# KiCad board VersaSens_HeEx.kicad_pcb (continued)
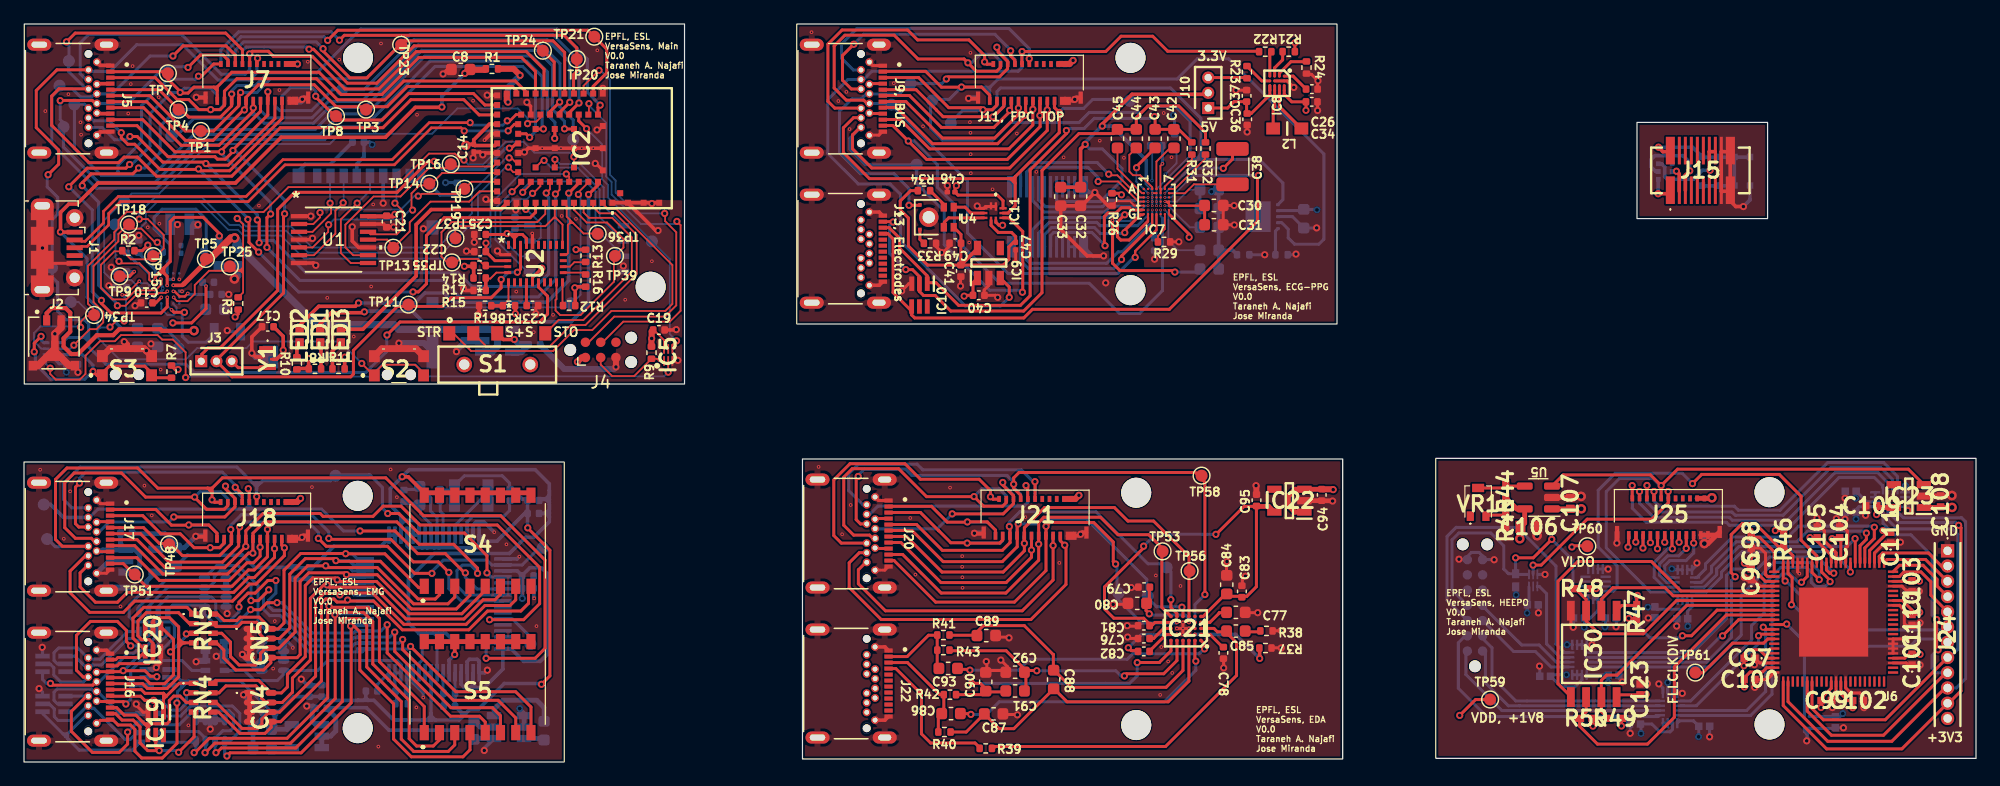
[diagram p0: board, top side]
## Library data of the parts
C1-C95 = -: Description: Unpolarized capacitor
C96-C105 C110-C124 = -: Description: SMD Comm X5R, Ceramic, 0.1 uF, 10%, 6.3 VDC, 15.75 VDC, 85C, -55C, X5R, SMD, MLCC, Temperature Stable, Class II, 5 % , 5 GOhms, 1.21 mg, 0402, 1mm, 0.5mm, 0.5mm, 0.3mm, 0.3mm, 10000, 78  Weeks, 70; Height: 0.55; Manufacturer_Name: KEMET; Manufacturer_Part_Number: C0402C104K9PACTU; Mouser Part Number: 80-C0402C104K9P; Mouser Price/Stock: https://www.mouser.co.uk/ProductDetail/KEMET/C0402C104K9PACTU?qs=DBJr%252BvBUjU7yQ9iUbxvTPw%3D%3D
C106 = -: Description: Cap Ceramic 22uF 10V X5R 20% Pad SMD 0603 85C T/R; Height: 0.8; Manufacturer_Name: Murata Electronics; Manufacturer_Part_Number: GRM187R61A226ME15D; Mouser Part Number: 81-GRM187R61A226ME5D; Mouser Price/Stock: https://www.mouser.co.uk/ProductDetail/Murata-Electronics/GRM187R61A226ME15D?qs=I53XXhTNm8uUaeh8Eawx4Q%3D%3D
C107 = -: Description: 0402 (1005M) X5R (EIA) 6.3Vdc 10uF+/-20%; Height: 0.7; Manufacturer_Name: Murata Electronics; Manufacturer_Part_Number: GRT155R60J106ME13D
C108 C109 = -: Description: Multilayer Ceramic Capacitors MLCC - SMD/SMT 0402 1uF 6.3volts *Derate Voltage/Temp; Height: 0.55; Manufacturer_Name: Murata Electronics; Manufacturer_Part_Number: GRM155R70J105KA12J; Mouser Part Number: 81-GRM155R70J105KA2J; Mouser Price/Stock: https://www.mouser.co.uk/ProductDetail/Murata-Electronics/GRM155R70J105KA12J?qs=hNud%2FORuBR2N0lYMgRaehA%3D%3D
CN1-CN5 = -: Description: Capacitor Arrays & Networks 50VDC 1000pF X7R 10% X7R 10%; Height: 0.9; Manufacturer_Name: KEMET; Mouser Part Number: 80-CA064C102K5R; Mouser Price/Stock: https://www.mouser.co.uk/ProductDetail/KEMET/CA064C102K5RACTU?qs=GLnfAsRnPWBZt%252BkjCDLlMQ%3D%3D
D1 = -: Description: Photodiodes Pin Photodiode 20V 350-1100nm; 28uA; Arrow Price/Stock: https://www.arrow.com/en/products/vemd8080/vishay?region=nac; Height: 0.53; Manufacturer_Name: Vishay; Mouser Part Number: 78-VEMD8080; Mouser Price/Stock: https://www.mouser.co.uk/ProductDetail/Vishay-Semiconductors/VEMD8080?qs=F5EMLAvA7IBCchs2bw9l%2Fw%3D%3D
H1-H8 H22 H23 = -: Description: Mounting Hole without connection
IC1 = -: Description: Ultra-Low Power PMIC Featuring Single-Inductor, 3-Output Buck-Boost, 2-LDOs, Power-Path Charger, and Fuel Gauge for Small Li+; Height: 0.5; Manufacturer_Name: Analog Devices
IC2 = -: Description: Bluetooth Modules - 802.15.1 BL5340 series - Multi-Core / Protocol Bluetooth + 802.15.4 + NFC Module (Nordic nRF52340) - Integrated Antenna (Tape/Reel); Height: 2.15; Manufacturer_Name: Laird Connectivity; Mouser Part Number: 239-453-00052R; Mouser Price/Stock: https://www.mouser.co.uk/ProductDetail/Laird-Connectivity/453-00052R?qs=DRkmTr78QATby1WvLZpQRQ%3D%3D
IC3 = -: Description: LDO Voltage Regulators 200-mA, nanopower-IQ (200 nA), low-dropout (LDO) voltage regulator with enable 5-SOT-23 -40 to 125; Height: 1.45; Manufacturer_Name: Texas Instruments; Mouser Part Number: 595-TPS7A0333PDBVR; Mouser Price/Stock: https://www.mouser.co.uk/ProductDetail/Texas-Instruments/TPS7A0333PDBVR?qs=OlC7AqGiEDkyaMBNBZB82A%3D%3D
IC4 = -: Description: Low-Power Dual 2-Input Positive-AND Gate; Manufacturer_Name: Texas Instruments; Mouser Part Number: 595-SN74AUP2G08RSER; Mouser Price/Stock: https://www.mouser.co.uk/ProductDetail/Texas-Instruments/SN74AUP2G08RSER?qs=EuM%2FBx4ov4SPXNdjevUolw%3D%3D
IC5 IC31 = -: Description: Logic Gates Low-Pwr Sgl 2-Input Pos-AND Gate; Height: 0.4; Manufacturer_Name: Texas Instruments; Mouser Part Number: 595-SN74AUP1G08DSFR; Mouser Price/Stock: https://www.mouser.co.uk/ProductDetail/Texas-Instruments/SN74AUP1G08DSFR?qs=%2Fqzd9s%252BcLd55UUF3gC6vNg%3D%3D
IC6 = -: Description: NAND Flash; Height: 0.8; Manufacturer_Name: Alliance Memory; Mouser Part Number: 913-S5F38G04SND08LIN; Mouser Price/Stock: https://www.mouser.co.uk/ProductDetail/Alliance-Memory/AS5F38G04SND-08LIN?qs=W%2FMpXkg%252BdQ6cTzWIadNbnA%3D%3D
IC7 = -: Description: Ultra-Low-Power, Clinical-Grade Vital-Sign AFE; Height: 0.69; Manufacturer_Name: Analog Devices; Mouser Part Number: N/A; Mouser Price/Stock: https://www.mouser.co.uk/ProductDetail/Maxim-Integrated/MAX86178ENJ%2b?qs=A6eO%252BMLsxmRF4ok651ufOA%3D%3D
IC8 = -: Description: Ultra-Low Quiescent Current, Low Noise 3.5W Buck-Boost Regulator; Height: 0.69; Manufacturer_Name: Analog Devices; Mouser Part Number: 700-MAX20343FEWE+T; Mouser Price/Stock: https://www.mouser.co.uk/ProductDetail/Maxim-Integrated/MAX20343FEWE%2bT/?qs=sPbYRqrBIVm5E36h%252BIdHhA%3D%3D
IC9 IC22 IC23 = -: Description: LDO Voltage Regulators 200-mA, nanopower-IQ (200 nA), low-dropout (LDO) voltage regulator with enable 5-SOT-23 -40 to 125; Height: 1.45; Manufacturer_Name: Texas Instruments; Mouser Part Number: 595-TPS7A0318PDBVR; Mouser Price/Stock: https://www.mouser.co.uk/ProductDetail/Texas-Instruments/TPS7A0318PDBVR?qs=OlC7AqGiEDmIJesKPyKeSg%3D%3D
IC10 IC15 IC16 IC18-IC20 = -: Description: Texas Instruments TPD4E1B06DCKR Quad Bi-Directional ESD Protection Array, 45W peak, 6-Pin SC-70; Height: 1.1; Manufacturer_Name: Texas Instruments; Mouser Part Number: 595-TPD4E1B06DCKR; Mouser Price/Stock: https://www.mouser.co.uk/ProductDetail/Texas-Instruments/TPD4E1B06DCKR?qs=FBI%252BX3tnPf1Bt8uBkGhcNg%3D%3D
IC11 = -: Description: Translation - Voltage Levels; Height: 0.55; Manufacturer_Name: Texas Instruments; Mouser Part Number: 595-SN74AXC2T245RSWR; Mouser Price/Stock: https://www.mouser.co.uk/ProductDetail/Texas-Instruments/SN74AXC2T245RSWR?qs=sPbYRqrBIVldTSxYeyyecg%3D%3D
IC12 = -: Description: 200mA Negative-Output Low-Dropout (LDO) Linear Regulator; Height: 1.45; Manufacturer_Name: Texas Instruments; Manufacturer_Part_Number: TPS72301DBVR; Mouser Part Number: 595-TPS72301DBVR; Mouser Price/Stock: https://www.mouser.co.uk/ProductDetail/Texas-Instruments/TPS72301DBVR?qs=6zVL%252ByCp0moigK%252B5JGdvmw%3D%3D
IC13 = -: Description: Automotive 200-mA Low-IQ Low-Dropout Regulator for Portable Devices; Height: 1.1; Manufacturer_Name: Texas Instruments; Mouser Part Number: 595-TLV70025QDDCRQ1; Mouser Price/Stock: https://www.mouser.co.uk/ProductDetail/Texas-Instruments/TLV70025QDDCRQ1?qs=NiBvnJE4bX1tmxoZbCukhA%3D%3D
IC14 = -: Description: 1.8V to 5.5Vin Switched Capacitor Voltage Converter; Height: 1.45; Manufacturer_Name: Texas Instruments; Manufacturer_Part_Number: LM2664M6/NOPB; Mouser Part Number: 926-LM2664M6/NOPB; Mouser Price/Stock: https://www.mouser.co.uk/ProductDetail/Texas-Instruments/LM2664M6-NOPB?qs=X1J7HmVL2ZFqN%2Fb7EAhtIA%3D%3D
IC17 = -: Description: 8-Channel 24-bit ADC With Integrated ECG Front End; Arrow Price/Stock: https://www.arrow.com/en/products/ads1298ipagr/texas-instruments?region=nac; Height: 1.2; Manufacturer_Name: Texas Instruments; Mouser Part Number: 595-ADS1298IPAGR; Mouser Price/Stock: https://www.mouser.co.uk/ProductDetail/Texas-Instruments/ADS1298IPAGR?qs=Z6FgPJT5dDSzK7JhuKfPmw%3D%3D
IC21 = -: Description: MAXIM INTEGRATED / ANALOG DEVICES - MAX30001GCWV+ - 1 LEAD ECG & BIOZ AFE; Height: 0.69; Manufacturer_Name: Analog Devices; Mouser Part Number: 700-MAX30001GCWV+; Mouser Price/Stock: https://www.mouser.co.uk/ProductDetail/Analog-Devices-Maxim-Integrated/MAX30001GCWV%2b?qs=Rp5uXu7WBW%2FLfomdQH9F5g%3D%3D
IC24 = -: Description: Oscillator MEMS 0.032768MHz +/-75ppm (Stability) LVCMOS 52% 1.8V/2.5V/3.3V 4-Pin CSP SMD T/R; Height: 0.6; Manufacturer_Name: SiTime; Mouser Part Number: 788-1532ACJ5DCC32.7D; Mouser Price/Stock: https://www.mouser.co.uk/ProductDetail/SiTime/SIT1532AC-J5-DCC-32768D?qs=dMZC7um9hO%2FgFQ4wFMXsCg%3D%3D
IC25-IC29 = -: Description: 4-bit dual-supply bus transceiver with 3-state outputs and independent direction control inputs; Height: 0.55; Manufacturer_Name: Texas Instruments; Mouser Part Number: 595-SN74AXC4T774RSVR; Mouser Price/Stock: https://www.mouser.co.uk/ProductDetail/Texas-Instruments/SN74AXC4T774RSVR?qs=%252B6g0mu59x7IImpRdBrxk6g%3D%3D
IC30 = -: Description: 128M-bit Serial Flash Memory with uniform 4KB sectors and Dual/Quad SPI; Height: 2.16; Manufacturer_Name: Winbond; Mouser Part Number: 454-W25Q128JWSIQ; Mouser Price/Stock: https://www.mouser.co.uk/ProductDetail/Winbond/W25Q128JWSIQ?qs=PqoDHHvF64%252BFfPwbB9GJbQ%3D%3D
J1 = -: Description: USB Micro Type B connector; Check Price: https://www.mouser.ch/ProductDetail/Molex/105017-0001?qs=hlXxxvYE36k7QcsR97GUKA%3D%3D&_gl=1*h8ozte*_ga*dW5kZWZpbmVk*_ga_15W4STQT4T*dW5kZWZpbmVk*_ga_1KQLCYKRX3*dW5kZWZpbmVk; MF: Molex
J2 = -: Description: Connector Header Surface Mount, Right Angle 2 position 0.047 (1.20mm); Availability: In Stock; Check_prices: https://www.snapeda.com/parts/BM02B-ACHSS-GAN-TF(LF)(SN)/JST+Sales+America+Inc./view-part/?ref=eda; MANUFACTURER: JST; MF: JST Sales America Inc.; MP: BM02B-ACHSS-GAN-TF(LF)(SN); Package: None; Price: None; STANDARD: Manufacturer Recommendations; SnapEDA_Link: https://www.snapeda.com/parts/BM02B-ACHSS-GAN-TF(LF)(SN)/JST+Sales+America+Inc./view-part/?ref=snap
J3 J10 = -: Description: Generic connector, single row, 01x03, script generated
J4 = -: Description: Tag-Connect ARM Cortex SWD JTAG connector, 6 pin
J5 J9, BUS J13, Electrodes J16 J17 J20 J22 = -: Description: USB-C (USB TYPE-C) USB 3.2 Gen 2 (USB 3.1 Gen 2, Superspeed + (USB 3.1)) Receptacle Connector 24 Position Surface Mount, Right Angle; Through Hole; Availability: In Stock; Check_prices: https://www.snapeda.com/parts/USB4055-30-A/Global+Connector+Technology/view-part/?ref=eda; DESCRIPTION: USB Type C Receptacle Horizontal Hybrid PCB Top Mount 10 mm Body; DIGI-KEY_PART_NUMBER: 2073-USB4055-30-ACT-ND; DIGI-KEY_PURCHASE_URL: https://www.digikey.com.ua/product-detail/en/gct/USB4055-30-A/2073-USB4055-30-ACT-ND/9859729?utm_source=snapeda&utm_medium=aggregator&utm_campaign=symbol; MANUFACTURER: Global Connector Technology; MF: Global Connector Technology; MP: USB4055-30-A; PACKAGE: None; PARTREV: B; Package: None; Price: None; STANDARD: Manufacturer Recommendations; SnapEDA_Link: https://www.snapeda.com/parts/USB4055-30-A/Global+Connector+Technology/view-part/?ref=snap
J6 = -: Description: Memory Card Connectors R/A SMT MICROSD CON PUSH-PUSH TOP BRDMNT; Height: 1.83; Manufacturer_Name: Hirose; Mouser Part Number: 798-DM3AT-SF-PEJM5; Mouser Price/Stock: https://www.mouser.co.uk/ProductDetail/Hirose-Connector/DM3AT-SF-PEJM5?qs=LZSZKJVF%252B2WTDKp%252BR7IYAQ%3D%3D
J7 J8 J11, FPC TOP J14, FPC BUTTOM J18 J19 J21 J23 J25 J26 = -: Description: FFC & FPC Connectors 0.3 FPC Bck Flip Hsg 23CktEmbsTpPkg; Height: 1.15; Manufacturer_Name: Molex; Mouser Part Number: 538-502598-2393; Mouser Price/Stock: https://www.mouser.co.uk/ProductDetail/Molex/502598-2393?qs=y1vSg4rOnUI4XfeXs%2F0sEA%3D%3D
J12 = -: Description: Board to Board & Mezzanine Connectors CONN SOCKET BRD/BRD 20 POS 0.5mm; Height: 3.5; Manufacturer_Name: Panasonic; Mouser Part Number: 769-AXK520147YG; Mouser Price/Stock: https://www.mouser.co.uk/ProductDetail/Panasonic-Industrial-Devices/AXK520147YG?qs=2rFUEsTwVNzUHQnvbikYAA%3D%3D
J15 = -: Description: Board to Board & Mezzanine Connectors CONN HEADER BRD/BRD 20 POS 0.5mm; Height: 2.6; Manufacturer_Name: Panasonic; Mouser Part Number: 769-AXK620347YG; Mouser Price/Stock: https://www.mouser.co.uk/ProductDetail/Panasonic-Industrial-Devices/AXK620347YG?qs=2rFUEsTwVNy5zHLO2ZZydg%3D%3D
J24 = -: Description: Connector Header Through Hole 12 position 0.050" (1.27mm); Height: 4.2; Manufacturer_Name: Sullins
J27 = -: Description: PLUG-OF-NAILS 14-PIN W/ LEGS 8; Availability: In Stock; Check_prices: https://www.snapeda.com/parts/TC2070-IDC/Tag-Connect+LLC/view-part/?ref=eda; MANUFACTURER: TAG Connect; MF: Tag-Connect LLC; PARTREV: C; Package: None; Price: None; STANDARD: Manufacturer Recommendations; SnapEDA_Link: https://www.snapeda.com/parts/TC2070-IDC/Tag-Connect+LLC/view-part/?ref=snap
L1 L2 = -: Description: Inductor
LED1 = -: Description: PICOLED series: ROHM\'s PICOLED-Using its second-to-none merits from ultra-small & ultra-thin configuration,ultra-fine LED matrices beyond common sense can be made, boosting the level of expression ultimately. Also, this device is indispensable for future design-in for whatever application requiring downsizing.; Height: 0.25; Manufacturer_Name: ROHM Semiconductor; Mouser Part Number: 755-SML-P12UTT86R; Mouser Price/Stock: https://www.mouser.co.uk/ProductDetail/ROHM-Semiconductor/SML-P12UTT86R?qs=Ei%2Fnxee9QYg7KaykjYqlxA%3D%3D
LED2 = -: Description: PICOLED series: ROHM\'s PICOLED-Using its second-to-none merits from ultra-small & ultra-thin configuration,ultra-fine LED matrices beyond common sense can be made, boosting the level of expression ultimately. Also, this device is indispensable for future design-in for whatever application requiring downsizing.; Height: 0.25; Manufacturer_Name: ROHM Semiconductor; Mouser Part Number: 755-SML-P13PTT86R; Mouser Price/Stock: https://www.mouser.co.uk/ProductDetail/ROHM-Semiconductor/SML-P13PTT86R?qs=0TrvoxK2bUj6RLw6yj6z%2Fg%3D%3D
LED3 = -: Description: Standard LEDs - SMD PICOLED series Yellow LED; Height: 0.25; Manufacturer_Name: ROHM Semiconductor; Mouser Part Number: 755-SML-P12WTT86R; Mouser Price/Stock: https://www.mouser.co.uk/ProductDetail/ROHM-Semiconductor/SML-P12WTT86R?qs=0TrvoxK2bUgv0ZPBHqVn6A%3D%3D
LED4 = -: Description: Infrared Emitters Green / Red / IR LED 530nm, 655nm, 940nm; Height: 0.7; Manufacturer_Name: AMS OSRAM GROUP; Manufacturer_Part_Number: SFH 7016; Mouser Part Number: 720-SFH7016; Mouser Price/Stock: https://www.mouser.co.uk/ProductDetail/ams-OSRAM/SFH-7016?qs=OTrKUuiFdkaz7DXJqRo6mw%3D%3D
R1-R43 = -: Description: Resistor
R44 = -: Description: Thick Film Resistors - SMD ResA 0402 2k 1% 63mW TC100 AEC-Q200; Height: 0.37; Manufacturer_Name: Bourns; Manufacturer_Part_Number: CR0402AFX-2001GLF; Mouser Part Number: 652-CR0402AFX2001GLF; Mouser Price/Stock: https://www.mouser.co.uk/ProductDetail/Bourns/CR0402AFX-2001GLF?qs=GedFDFLaBXEKjamDtfYtIQ%3D%3D
R45 = -: Description: Bourns Chip Resistors CR0402 series 1691; Height: 0.4; Manufacturer_Name: Bourns; Manufacturer_Part_Number: CR0402-FX-1691GLF
R46 R51 = -: Description: Thick Film Resistors - SMD 100k Ohms 125mW 0402 1% AEC-Q200 Double Power Version; Height: 0.37; Manufacturer_Name: YAGEO; Manufacturer_Part_Number: AC0402FR-7W100KL; Mouser Part Number: 603-AC0402FR-7W100KL; Mouser Price/Stock: https://www.mouser.co.uk/ProductDetail/YAGEO/AC0402FR-7W100KL?qs=mQk0km4IMDfW7chanOKcig%3D%3D
R47-R50 = -: Description: SMD 0402 thick film resistor 10K 1% Bourns CR0402 Series Thick Film Resistor 0402 Case 10k +/-1% 0.0625W +/-100ppm/C; Height: 0.4; Manufacturer_Name: Bourns; Manufacturer_Part_Number: CR0402-FX-1002GLF; Mouser Part Number: 652-CR0402FX-1002GLF; Mouser Price/Stock: https://www.mouser.co.uk/ProductDetail/Bourns/CR0402-FX-1002GLF?qs=URDPQ%2Fj0cz0Xgk2sZso66A%3D%3D
RN1-RN5 = -: Description: 2.2k Ohm +/-1% 63mW Power Per Element Isolated 4 Resistor Network/Array +/-200ppm/C 1206 (3216 Metric), Convex, Long Side Terminals; Height: 0.6; Manufacturer_Name: Bourns; Mouser Part Number: 652-CAY16A-2201F4LF; Mouser Price/Stock: https://www.mouser.co.uk/ProductDetail/Bourns/CAY16A-2201F4LF?qs=DRkmTr78QAQcw3N6g%2FswLA%3D%3D
RT1 = -: Description: NTC Thermistors 100Kohms 1%; Height: 0.95; Manufacturer_Name: Vishay; Mouser Part Number: 594-NTCS0805E3104SMT; Mouser Price/Stock: https://www.mouser.co.uk/ProductDetail/Vishay-BC-Components/NTCS0805E3104SMT?qs=abmNkq9no6D8ZuSk94w8CA%3D%3D
S1 = -: Description: Surface Mount Slide Switch SP3T On-On 100 mA@ 12 V dc Slide; Manufacturer_Name: C & K COMPONENTS; Mouser Part Number: 611-AYZ0103AGRLC; Mouser Price/Stock: https://www.mouser.co.uk/ProductDetail/CK/AYZ0103AGRLC?qs=dJbzCyn%252BCFYjrUSpOumiDQ%3D%3D
S2 S3 = -: Description: Tactile Switches Switch Tact Mini 250 Gf Slv Gwing; Height: 1.42; Manufacturer_Name: C & K COMPONENTS; Mouser Part Number: 611-KMS231GPLFS; Mouser Price/Stock: https://www.mouser.co.uk/ProductDetail/CK/KMS231GPLFS?qs=vOd3edNlRKBmiAeEI6NTfA%3D%3D
S4 S5 = -: Description: DIP Switches / SIP Switches HALF PITCH 8POS SMD SWITCH DIP; Height: 2.56; Manufacturer_Name: TE Connectivity; Mouser Part Number: 506-GDH08STR04; Mouser Price/Stock: https://www.mouser.co.uk/ProductDetail/TE-Connectivity-Alcoswitch/GDH08STR04?qs=k5V78Jg%2Feq7%2FmY8DIKNsYA%3D%3D
TP1-TP61 = -: Description: test point
U2 = -: Description: Accelerometer, Gyroscope, Magnetometer, Temperature, 9 Axis Sensor IC, SPI Output; Height: 1.18; Manufacturer_Name: CEVA; Mouser Part Number: 526-BNO086; Mouser Price/Stock: https://www.mouser.co.uk/ProductDetail/CEVA/BNO086?qs=ulEaXIWI0c%2FqTo1scjodAw%3D%3D
U3 = -: Description: Temperature Sensor Digital, Infrared (IR) -20C ~ 85C 0.02C 5-SFN (3x3); Height: 1; Manufacturer_Name: Melexis; Mouser Part Number: 482-90632SLDDCB100RE; Mouser Price/Stock: https://www.mouser.co.uk/ProductDetail/Melexis/MLX90632SLD-DCB-100-RE?qs=W%2FMpXkg%252BdQ5ec8j9SvRcaw%3D%3D
U5 = -: Description: 500mA Low-Dropout Linear Regulator, Adjustable Output, SOT-23-5; LCSC: C2877852
VR1 = -: Description: Trimmer Resistors - SMD 20K 2mm SMD Single Turn; Height: 0.9; Manufacturer_Name: Bourns; Mouser Part Number: 652-TC42X-2-203E; Mouser Price/Stock: https://www.mouser.co.uk/ProductDetail/Bourns/TC42X-2-203E?qs=A%2FHKLTFiEJHgsib30kUohg%3D%3D
Y1 = -: Description: Standard Clock Oscillators 32.768kHz 100ppm -40C +85C; Height: 0.6; Manufacturer_Name: SiTime; Mouser Part Number: 788-1533AIH4DCC32.7D; Mouser Price/Stock: https://www.mouser.co.uk/ProductDetail/SiTime/SiT1533AI-H4-DCC-32768D?qs=dMZC7um9hO8QA0gN1VDosw%3D%3D

## Footprints (pads in the part's own frame, mm; a bottom-side part is the same pattern mirrored in y, then rotated)
21-100520_N492A2&plus_1_MXM
  round 0.203 smd: A1(-1.05,1.05) A2(-0.7,1.05) A3(-0.35,1.05) A4(0,1.05) A5(0.35,1.05) A6(0.7,1.05) A7(1.05,1.05) B1(-1.05,0.7) B2(-0.7,0.7) B3(-0.35,0.7) B4(0,0.7) B5(0.35,0.7) B6(0.7,0.7) B7(1.05,0.7) C1(-1.05,0.35) C2(-0.7,0.35) C3(-0.35,0.35) C4(0,0.35) C5(0.35,0.35) C6(0.7,0.35) C7(1.05,0.35) D1(-1.05,0) D2(-0.7,0) D3(-0.35,0) D4(0,0) D5(0.35,0) D6(0.7,0) D7(1.05,0) E1(-1.05,-0.35) E2(-0.7,-0.35) E3(-0.35,-0.35) E4(0,-0.35) E5(0.35,-0.35) E6(0.7,-0.35) E7(1.05,-0.35) F1(-1.05,-0.7) F2(-0.7,-0.7) F3(-0.35,-0.7) F4(0,-0.7) F5(0.35,-0.7) F6(0.7,-0.7) F7(1.05,-0.7) G1(-1.05,-1.05) G2(-0.7,-1.05) G3(-0.35,-1.05) G4(0,-1.05) G5(0.35,-1.05) G6(0.7,-1.05) G7(1.05,-1.05)
1285ASH1R0MP2
  rect 0.8x1.8 smd: 1(-0.8,0) 2(0.8,0)
45300052R
  rect 0.5x0.5 smd: 1(4.55,2.55) 2(4.55,1.75) 3(4.55,0.95) 4(2.8,1.35) 5(4.55,0.15) 6(2.8,0.55) 7(4.55,-0.65) 8(2.8,-0.25) 9(4.55,-1.45) 10(2.8,-1.05) 11(4.55,-2.25) 12(2.8,-1.85) 13(4.55,-3.05) 14(2.8,-2.65) 15(4.55,-3.85) 16(2.8,-3.45) 17(4.55,-4.65) 18(2.8,-4.25) 19(4.55,-5.45) 20(4.55,-6.25) 21(4.4,-7.05) 22(3.6,-7.05) 23(2.8,-7.05) 24(2.8,-5.05) 25(2,-7.05) 26(2,-5.3) 27(1.2,-7.05) 28(1.2,-5.3) 29(0.4,-7.05) 30(0.4,-5.3) 31(-0.4,-7.05) 32(-0.4,-5.3) 33(-1.2,-7.05) 34(-1.2,-5.3) 35(-2,-7.05) 36(-2,-5.3) 37(-2.8,-7.05) 38(-3.6,-7.05) 39(-4.4,-7.05) 40(-4.55,-6.25) 41(-4.55,-5.45) 42(-2.8,-5.05) 43(-4.55,-4.65) 44(-2.8,-4.25) 45(-4.55,-3.85) 46(-2.8,-3.45) 47(-4.55,-3.05) 48(-2.8,-2.65) 49(-4.55,-2.25) 50(-2.8,-1.85) 51(-4.55,-1.45) 52(-2.8,-1.05) 53(-4.55,-0.65) 54(-2.8,-0.25) 55(-4.55,0.15) 56(-2.8,0.55) 57(-4.55,0.95) 58(-2.8,1.35) 59(-4.55,1.75) 60(1.6,-0.65) 61(1.6,-2.25) 62(1.6,-3.85) 63(-1.6,-3.85) 64(-1.6,-2.25) 65(-1.6,-0.65) 66(-1.85,1.75) 67(0,1.75) 68(1.85,1.75) 69(4.55,3.85) 70(4.55,5.15) 71(4.55,6.45) 72(3.75,3.2) 73(0,-3.85) 74(0,-2.25) 75(0,-0.65)
5025982393
  rect 0.3x0.67 smd: 1(-3.3,-1.9) 3(-2.7,-1.9) 5(-2.1,-1.9) 7(-1.5,-1.9) 9(-0.9,-1.9) 11(-0.3,-1.9) 13(0.3,-1.9) 15(0.9,-1.9) 17(1.5,-1.9) 19(2.1,-1.9) 21(2.7,-1.9) 23(3.3,-1.9)
  rect 0.3x0.5 smd: 2(-3,1.165) 4(-2.4,1.165) 6(-1.8,1.165) 8(-1.2,1.165) 10(-0.6,1.165) 12(0,1.165) 14(0.6,1.165) 16(1.2,1.165) 18(1.8,1.165) 20(2.4,1.165) 22(3,1.165)
  rect 0.35x1 smd: MP1(-4.275,-1.635) MP2(4.275,-1.635)
AXK520147YG
  rect 0.25x1.8 smd: 1(-2.25,-2.5) 2(-2.25,2.5) 3(-1.75,-2.5) 4(-1.75,2.5) 5(-1.25,-2.5) 6(-1.25,2.5) 7(-0.75,-2.5) 8(-0.75,2.5) 9(-0.25,-2.5) 10(-0.25,2.5) 11(0.25,-2.5) 12(0.25,2.5) 13(0.75,-2.5) 14(0.75,2.5) 15(1.25,-2.5) 16(1.25,2.5) 17(1.75,-2.5) 18(1.75,2.5) 19(2.25,-2.5) 20(2.25,2.5)
  rect 0.75x1.8 smd: MP1(-3,-2.5) MP2(-3,2.5) MP3(3,2.5) MP4(3,-2.5)
AXK620347YG
  rect 0.75x2.3 smd: 1(-2.5,-1.65) 10(2.5,-1.65) 11(2.5,1.65) 20(-2.5,1.65)
  rect 0.25x2.3 smd: 2(-1.75,-1.65) 3(-1.25,-1.65) 4(-0.75,-1.65) 5(-0.25,-1.65) 6(0.25,-1.65) 7(0.75,-1.65) 8(1.25,-1.65) 9(1.75,-1.65) 12(1.75,1.65) 13(1.25,1.65) 14(0.75,1.65) 15(0.25,1.65) 16(-0.25,1.65) 17(-0.75,1.65) 18(-1.25,1.65) 19(-1.75,1.65)
AYZ0103AGRLC
  rect 1x1.2 smd: 1(-4,4.1) 2(-2,4.1) 3(0,4.1) 4(4,4.1)
  round 1.3 hole 0.85: 5(-2.75,1.5) 6(2.75,1.5)
BGA16C40P4X4_201X177X69
  round 0.216 smd: A1(-0.6,0.6) A2(-0.2,0.6) A3(0.2,0.6) A4(0.6,0.6) B1(-0.6,0.2) B2(-0.2,0.2) B3(0.2,0.2) B4(0.6,0.2) C1(-0.6,-0.2) C2(-0.2,-0.2) C3(0.2,-0.2) C4(0.6,-0.2) D1(-0.6,-0.6) D2(-0.2,-0.6) D3(0.2,-0.6) D4(0.6,-0.6)
BGA30C50P6X5_293X274X69
  round 0.298 smd: A1(-1.25,1) A2(-0.75,1) A3(-0.25,1) A4(0.25,1) A5(0.75,1) A6(1.25,1) B1(-1.25,0.5) B2(-0.75,0.5) B3(-0.25,0.5) B4(0.25,0.5) B5(0.75,0.5) B6(1.25,0.5) C1(-1.25,0) C2(-0.75,0) C3(-0.25,0) C4(0.25,0) C5(0.75,0) C6(1.25,0) D1(-1.25,-0.5) D2(-0.75,-0.5) D3(-0.25,-0.5) D4(0.25,-0.5) D5(0.75,-0.5) D6(1.25,-0.5) E1(-1.25,-1) E2(-0.75,-1) E3(-0.25,-1) E4(0.25,-1) E5(0.75,-1) E6(1.25,-1)
BGA36C50P6X6_323X296X50
  round 0.232 smd: A1(-1.25,1.25) A2(-0.75,1.25) A3(-0.25,1.25) A4(0.25,1.25) A5(0.75,1.25) A6(1.25,1.25) B1(-1.25,0.75) B2(-0.75,0.75) B3(-0.25,0.75) B4(0.25,0.75) B5(0.75,0.75) B6(1.25,0.75) C1(-1.25,0.25) C2(-0.75,0.25) C3(-0.25,0.25) C4(0.25,0.25) C5(0.75,0.25) C6(1.25,0.25) D1(-1.25,-0.25) D2(-0.75,-0.25) D3(-0.25,-0.25) D4(0.25,-0.25) D5(0.75,-0.25) D6(1.25,-0.25) E1(-1.25,-0.75) E2(-0.75,-0.75) E3(-0.25,-0.75) E4(0.25,-0.75) E5(0.75,-0.75) E6(1.25,-0.75) F1(-1.25,-1.25) F2(-0.75,-1.25) F3(-0.25,-1.25) F4(0.25,-1.25) F5(0.75,-1.25) F6(1.25,-1.25)
BNO086
  rect 0.675x0.25 smd: 1(1.562,2.25) 6(-1.562,2.25) 7(-1.562,1.75) 8(-1.562,1.25) 9(-1.562,0.75) 10(-1.562,0.25) 11(-1.562,-0.25) 12(-1.562,-0.75) 13(-1.562,-1.25) 14(-1.562,-1.75) 15(-1.562,-2.25) 20(1.562,-2.25) 21(1.562,-1.75) 22(1.562,-1.25) 23(1.562,-0.75) 24(1.563,-0.25) 25(1.563,0.25) 26(1.562,0.75) 27(1.562,1.25) 28(1.562,1.75)
  rect 0.25x0.575 smd: 2(0.75,2.312) 3(0.25,2.312) 4(-0.25,2.312) 5(-0.75,2.312) 16(-0.75,-2.313) 17(-0.25,-2.313) 18(0.25,-2.313) 19(0.75,-2.313)
C0402C104J4RACTU
  rect 0.62x0.62 smd: 1(-0.45,0) 2(0.45,0)
C_0201_0603Metric
  rrect 0.318x0.36 smd: (-0.345,0) (0.345,0)
  rrect 0.46x0.4 smd: 1(-0.32,0) 2(0.32,0)
C_0402_1005Metric
  rrect 0.56x0.62 smd: 1(-0.48,0) 2(0.48,0)
C_0603_1608Metric
  rrect 0.9x0.95 smd: 1(-0.775,0) 2(0.775,0)
C_1210_3225Metric
  rrect 1.15x2.7 smd: 1(-1.475,0) 2(1.475,0)
CA064C102K5RACTU
  oval 0.5x0.95 smd: 1(-1.2,-0.9) 2(-0.4,-0.9) 3(0.4,-0.9) 4(1.2,-0.9) 5(1.2,0.9) 6(0.4,0.9) 7(-0.4,0.9) 8(-1.2,0.9)
CAPC1005X55N
  rect 0.6x0.62 smd: 1(-0.46,0) 2(0.46,0)
CAPC1005X70N
  rect 0.69x0.72 smd: 1(-0.46,0) 2(0.46,0)
CAPC1608X80N
  rect 0.82x1.02 smd: 1(-0.7,0) 2(0.7,0)
CAPC3225X279N
  rect 0.914x2.692 smd: 1(-1.397,0) 2(1.397,0)
CAY16A2201F4LF
  rect 0.45x0.8 smd: 1(-1.2,-0.8) 2(-0.4,-0.8) 3(0.4,-0.8) 4(1.2,-0.8) 5(1.2,0.8) 6(0.4,0.8) 7(-0.4,0.8) 8(-1.2,0.8)
DM3ATSFPEJM5
  rect 0.7x1.2 smd: 1(2.775,7.412) 2(1.675,7.412) 3(0.575,7.412) 4(-0.525,7.412) 5(-1.625,7.412) 6(-2.725,7.412) 7(-3.825,7.412) 8(-4.925,7.412) MP2(-5.875,7.412)
  rect 1x1.2 smd: MP1(4.325,7.412) MP3(-6.825,3.112)
  rect 1x0.8 smd: MP4(-6.825,-3.087)
  rect 1x2.8 smd: MP5(-6.825,-7.237)
  rect 1.3x1.9 smd: MP6(6.675,-7.688)
GCT_USB4055-30-A
  round 0.65 hole 0.65 unplated: (-3.725,2.75) (3.725,2.75)
  rect 0.35x0.7 smd: A1(-2.75,4.57) A2(-2.25,4.57) A3(-1.75,4.57) A4(-1.25,4.57) A5(-0.75,4.57) A6(-0.25,4.57) A7(0.25,4.57) A8(0.75,4.57) A9(1.25,4.57) A10(1.75,4.57) A11(2.25,4.57) A12(2.75,4.57)
  round 0.65 hole 0.4: B1(3.05,3.45) B2(2.4,2.75) B3(1.6,2.75) B4(1.2,3.45) B5(0.8,2.75) B6(0.4,3.45) B7(-0.4,3.45) B8(-0.8,2.75) B9(-1.2,3.45) B10(-1.6,2.75) B11(-2.4,2.75) B12(-3.05,3.45)
  oval 1x2 hole 0.5x1.1: S1(-4.5,4.25) S2(4.5,4.25)
  oval 1x2 hole 0.5x1.3: S3(-4.5,-1.35) S4(4.5,-1.35)
GDH08STR04
  rect 0.76x1.27 smd: 1(-4.445,-3.795) 2(-3.175,-3.795) 3(-1.905,-3.795) 4(-0.635,-3.795) 5(0.635,-3.795) 6(1.905,-3.795) 7(3.175,-3.795) 8(4.445,-3.795) 9(4.445,3.795) 10(3.175,3.795) 11(1.905,3.795) 12(0.635,3.795) 13(-0.635,3.795) 14(-1.905,3.795) 15(-3.175,3.795) 16(-4.445,3.795)
GRPB121VWVNRC
  rect 1.1x1.1 hole 0.7: 1(0,0)
  round 1.1 hole 0.7: 2(-1.27,0) 3(-2.54,0) 4(-3.81,0) 5(-5.08,0) 6(-6.35,0) 7(-7.62,0) 8(-8.89,0) 9(-10.16,0) 10(-11.43,0) 11(-12.7,0) 12(-13.97,0)
HDRV3W40P0X127_1X3_381X210X430P
  rect 1x1 hole 0.6: 1(0,0)
  round 1 hole 0.6: 2(1.27,0) 3(2.54,0)
JST_BM02B-ACHSS-GAN-TF_LF__SN_
  rect 0.6x0.85 smd: 1(-0.6,1.887) 2(0.6,1.887)
  rect 0.7x0.8 smd: S1(-1.75,-1.887) S2(1.75,-1.887)
KMS231GPLFS
  round 0.9 hole 0.9 unplated: (-0.975,-0.75) (0.975,-0.75)
  rect 0.9x1 smd: 1(-2.05,-0.8) 2(-2.05,0.8) 4(2.05,0.8) 5(2.05,-0.8)
  rect 1.7x0.55 smd: 3(0,1.425)
LEDC1006X25N
  rect 0.7x0.7 smd: 1(-0.55,0) 2(0.55,0)
LGA_CAV5_IVS
  rect 0.522x0.725 smd: 1(2.074,0.838) 2(1.252,0.838) 6(1.252,-0.838) 7(2.074,-0.838)
  round 1.625 hole 1.025: 3(0,0)
  rect 0.3x0.3 smd: 4(-0.742,1.025) 5(-0.742,-1.025)
LQM21PN1R0MEHD
  rect 1.15x1 smd: 1(-1.175,0) 2(1.175,0)
MLX90632SLDDCB100RE
  rect 0.3x0.25 smd: 1(-1.25,1) 2(-1.25,0.5) 3(-1.25,0) 4(-1.25,-0.5) 5(-1.25,-1)
  rect 2.1x2.55 smd: 6(0.4,0)
MountingHole_2.5mm
  round 2.5 hole 2.5 unplated: (0,0)
QFN40P180X260X55-16N
  rect 0.85x0.2 smd: 1(-0.85,0.6) 2(-0.85,0.2) 3(-0.85,-0.2) 4(-0.85,-0.6) 9(0.85,-0.6) 10(0.85,-0.2) 11(0.85,0.2) 12(0.85,0.6)
  rect 0.2x0.85 smd: 5(-0.6,-1.25) 6(-0.2,-1.25) 7(0.2,-1.25) 8(0.6,-1.25) 13(0.6,1.25) 14(0.2,1.25) 15(-0.2,1.25) 16(-0.6,1.25)
QFN40P1000X1000X80-89N-D
  rect 0.85x0.2 smd: 1(-4.95,4.2) 2(-4.95,3.8) 3(-4.95,3.4) 4(-4.95,3) 5(-4.95,2.6) 6(-4.95,2.2) 7(-4.95,1.8) 8(-4.95,1.4) 9(-4.95,1) 10(-4.95,0.6) 11(-4.95,0.2) 12(-4.95,-0.2) 13(-4.95,-0.6) 14(-4.95,-1) 15(-4.95,-1.4) 16(-4.95,-1.8) 17(-4.95,-2.2) 18(-4.95,-2.6) 19(-4.95,-3) 20(-4.95,-3.4) 21(-4.95,-3.8) 22(-4.95,-4.2) 45(4.95,-4.2) 46(4.95,-3.8) 47(4.95,-3.4) 48(4.95,-3) 49(4.95,-2.6) 50(4.95,-2.2) 51(4.95,-1.8) 52(4.95,-1.4) 53(4.95,-1) 54(4.95,-0.6) 55(4.95,-0.2) 56(4.95,0.2) 57(4.95,0.6) 58(4.95,1) 59(4.95,1.4) 60(4.95,1.8) 61(4.95,2.2) 62(4.95,2.6) 63(4.95,3) 64(4.95,3.4) 65(4.95,3.8) 66(4.95,4.2)
  rect 0.2x0.85 smd: 23(-4.2,-4.95) 24(-3.8,-4.95) 25(-3.4,-4.95) 26(-3,-4.95) 27(-2.6,-4.95) 28(-2.2,-4.95) 29(-1.8,-4.95) 30(-1.4,-4.95) 31(-1,-4.95) 32(-0.6,-4.95) 33(-0.2,-4.95) 34(0.2,-4.95) 35(0.6,-4.95) 36(1,-4.95) 37(1.4,-4.95) 38(1.8,-4.95) 39(2.2,-4.95) 40(2.6,-4.95) 41(3,-4.95) 42(3.4,-4.95) 43(3.8,-4.95) 44(4.2,-4.95) 67(4.2,4.95) 68(3.8,4.95) 69(3.4,4.95) 70(3,4.95) 71(2.6,4.95) 72(2.2,4.95) 73(1.8,4.95) 74(1.4,4.95) 75(1,4.95) 76(0.6,4.95) 77(0.2,4.95) 78(-0.2,4.95) 79(-0.6,4.95) 80(-1,4.95) 81(-1.4,4.95) 82(-1.8,4.95) 83(-2.2,4.95) 84(-2.6,4.95) 85(-3,4.95) 86(-3.4,4.95) 87(-3.8,4.95) 88(-4.2,4.95)
  rect 5.75x5.75 smd: 89(0,0)
QFP50P1200X1200X120-64N
  rect 1.475x0.3 smd: 1(-5.738,3.75) 2(-5.738,3.25) 3(-5.738,2.75) 4(-5.738,2.25) 5(-5.738,1.75) 6(-5.738,1.25) 7(-5.738,0.75) 8(-5.738,0.25) 9(-5.738,-0.25) 10(-5.738,-0.75) 11(-5.738,-1.25) 12(-5.738,-1.75) 13(-5.738,-2.25) 14(-5.738,-2.75) 15(-5.738,-3.25) 16(-5.738,-3.75) 33(5.738,-3.75) 34(5.738,-3.25) 35(5.738,-2.75) 36(5.738,-2.25) 37(5.738,-1.75) 38(5.738,-1.25) 39(5.738,-0.75) 40(5.738,-0.25) 41(5.738,0.25) 42(5.738,0.75) 43(5.738,1.25) 44(5.738,1.75) 45(5.738,2.25) 46(5.738,2.75) 47(5.738,3.25) 48(5.738,3.75)
  rect 0.3x1.475 smd: 17(-3.75,-5.738) 18(-3.25,-5.738) 19(-2.75,-5.738) 20(-2.25,-5.738) 21(-1.75,-5.738) 22(-1.25,-5.738) 23(-0.75,-5.738) 24(-0.25,-5.738) 25(0.25,-5.738) 26(0.75,-5.738) 27(1.25,-5.738) 28(1.75,-5.738) 29(2.25,-5.738) 30(2.75,-5.738) 31(3.25,-5.738) 32(3.75,-5.738) 49(3.75,5.738) 50(3.25,5.738) 51(2.75,5.738) 52(2.25,5.738) 53(1.75,5.738) 54(1.25,5.738) 55(0.75,5.738) 56(0.25,5.738) 57(-0.25,5.738) 58(-0.75,5.738) 59(-1.25,5.738) 60(-1.75,5.738) 61(-2.25,5.738) 62(-2.75,5.738) 63(-3.25,5.738) 64(-3.75,5.738)
R_0402_1005Metric
  rrect 0.54x0.64 smd: 1(-0.51,0) 2(0.51,0)
RESC1005X37N
  rect 0.75x0.6 smd: 1(-0.55,0) 2(0.55,0)
RESC1005X40N
  rect 0.75x0.6 smd: 1(-0.55,0) 2(0.55,0)
RSE0008A
  rect 0.55x0.25 smd: 1(-0.675,0.5) 3(-0.675,-0.5) 5(0.675,-0.5) 7(0.675,0.5)
  rect 0.55x0.2 smd: 2(-0.675,0) 6(0.675,0)
  rect 0.3x0.6 smd: 4(0,-0.65) 8(0,0.65)
SFH7016
  rect 0.4x0.4 smd: 1(0.65,0.575) 2(0.65,-0.575) 3(0,0.575) 4(0,-0.575) 5(-0.65,0.575) 6(-0.65,-0.575)
SIT1532ACJ5DCC32768D
  round 0.25 smd: 1(-0.5,-0.205) 2(0.5,-0.205) 3(0.5,0.205) 4(-0.5,0.205)
SIT1534AIH4DCC00032G
  rect 0.4x1.4 smd: 1(-0.8,0) 3(0.8,0)
  rect 0.2x0.5 smd: 2(-0.1,-0.45) 4(0.1,0.45)
SN74AXC2T245RSWR
  rect 0.7x0.2 smd: 1(-0.55,0.2)
  rect 0.6x0.2 smd: 2(-0.6,-0.2) 6(0.6,-0.2) 7(0.6,0.2)
  rect 0.2x0.6 smd: 3(-0.4,-0.8) 4(0,-0.8) 5(0.4,-0.8) 8(0.4,0.8) 9(0,0.8) 10(-0.4,0.8)
SOIC127P790X216-8N
  rect 1.65x0.65 smd: 1(-3.6,1.905) 2(-3.6,0.635) 3(-3.6,-0.635) 4(-3.6,-1.905) 5(3.6,-1.905) 6(3.6,-0.635) 7(3.6,0.635) 8(3.6,1.905)
SON35P100X100X40-6N
  rect 0.8x0.15 smd: 1(-0.5,0.35) 2(-0.5,0) 3(-0.5,-0.35) 4(0.5,-0.35) 5(0.5,0) 6(0.5,0.35)
SON127P800X600X80-8N
  rect 0.95x0.45 smd: 1(-3.9,1.905) 2(-3.9,0.635) 3(-3.9,-0.635) 4(-3.9,-1.905) 5(3.9,-1.905) 6(3.9,-0.635) 7(3.9,0.635) 8(3.9,1.905)
SOT65P210X110-6N
  rect 1.2x0.4 smd: 1(-0.95,0.65) 2(-0.95,0) 3(-0.95,-0.65) 4(0.95,-0.65) 5(0.95,0) 6(0.95,0.65)
SOT95P280X110-5N
  rect 1.25x0.6 smd: 1(-1.25,0.95) 2(-1.25,0) 3(-1.25,-0.95) 4(1.25,-0.95) 5(1.25,0.95)
SOT95P280X145-5N
  rect 1.2x0.6 smd: 1(-1.25,0.95) 2(-1.25,0) 3(-1.25,-0.95) 4(1.25,-0.95) 5(1.25,0.95)
SOT95P280X145-6N
  rect 1.2x0.6 smd: 1(-1.25,0.95) 2(-1.25,0) 3(-1.25,-0.95) 4(1.25,-0.95) 5(1.25,0) 6(1.25,0.95)
SOT-23-5
  rrect 1.325x0.6 smd: 1(-1.137,0.95) 2(-1.137,0) 3(-1.137,-0.95) 4(1.137,-0.95) 5(1.137,0.95)
Tag-Connect_TC2030-IDC-NL_2x03_P1.27mm_Vertical
  round 0.991 hole 0.991 unplated: (-2.54,0) (2.54,1.016) (2.54,-1.016)
  round 0.787 smd: 1(-1.27,-0.635) 2(-1.27,0.635) 3(0,-0.635) 4(0,0.635) 5(1.27,-0.635) 6(1.27,0.635)
TC42X2103E
  rect 0.6x0.8 smd: 1(-0.65,-1.175) 3(0.65,-1.175)
  rect 1x0.7 smd: 2(0,1.175)
TC2070-NL-FP
  round 0.991 hole 0.991 unplated: (-5.075,-0.01) (5.085,-1.026) (5.085,1.006)
  round 0.787 smd: 1(-3.805,-0.645) 2(-2.535,-0.645) 3(-1.265,-0.645) 4(0.005,-0.645) 5(1.275,-0.645) 6(2.545,-0.645) 7(3.815,-0.645) 8(3.815,0.625) 9(2.545,0.625) 10(1.275,0.625) 11(0.005,0.625) 12(-1.265,0.625) 13(-2.535,0.625) 14(-3.805,0.625)
TestPoint_Pad_D1.0mm
  round 1 smd: 1(0,0)
THRMC2012X95N
  rect 0.75x1.45 smd: 1(-1.1,0) 2(1.1,0)
